# Altium PCB CATS-FAT_1..PcbDoc (part 1 of 2) (continued)
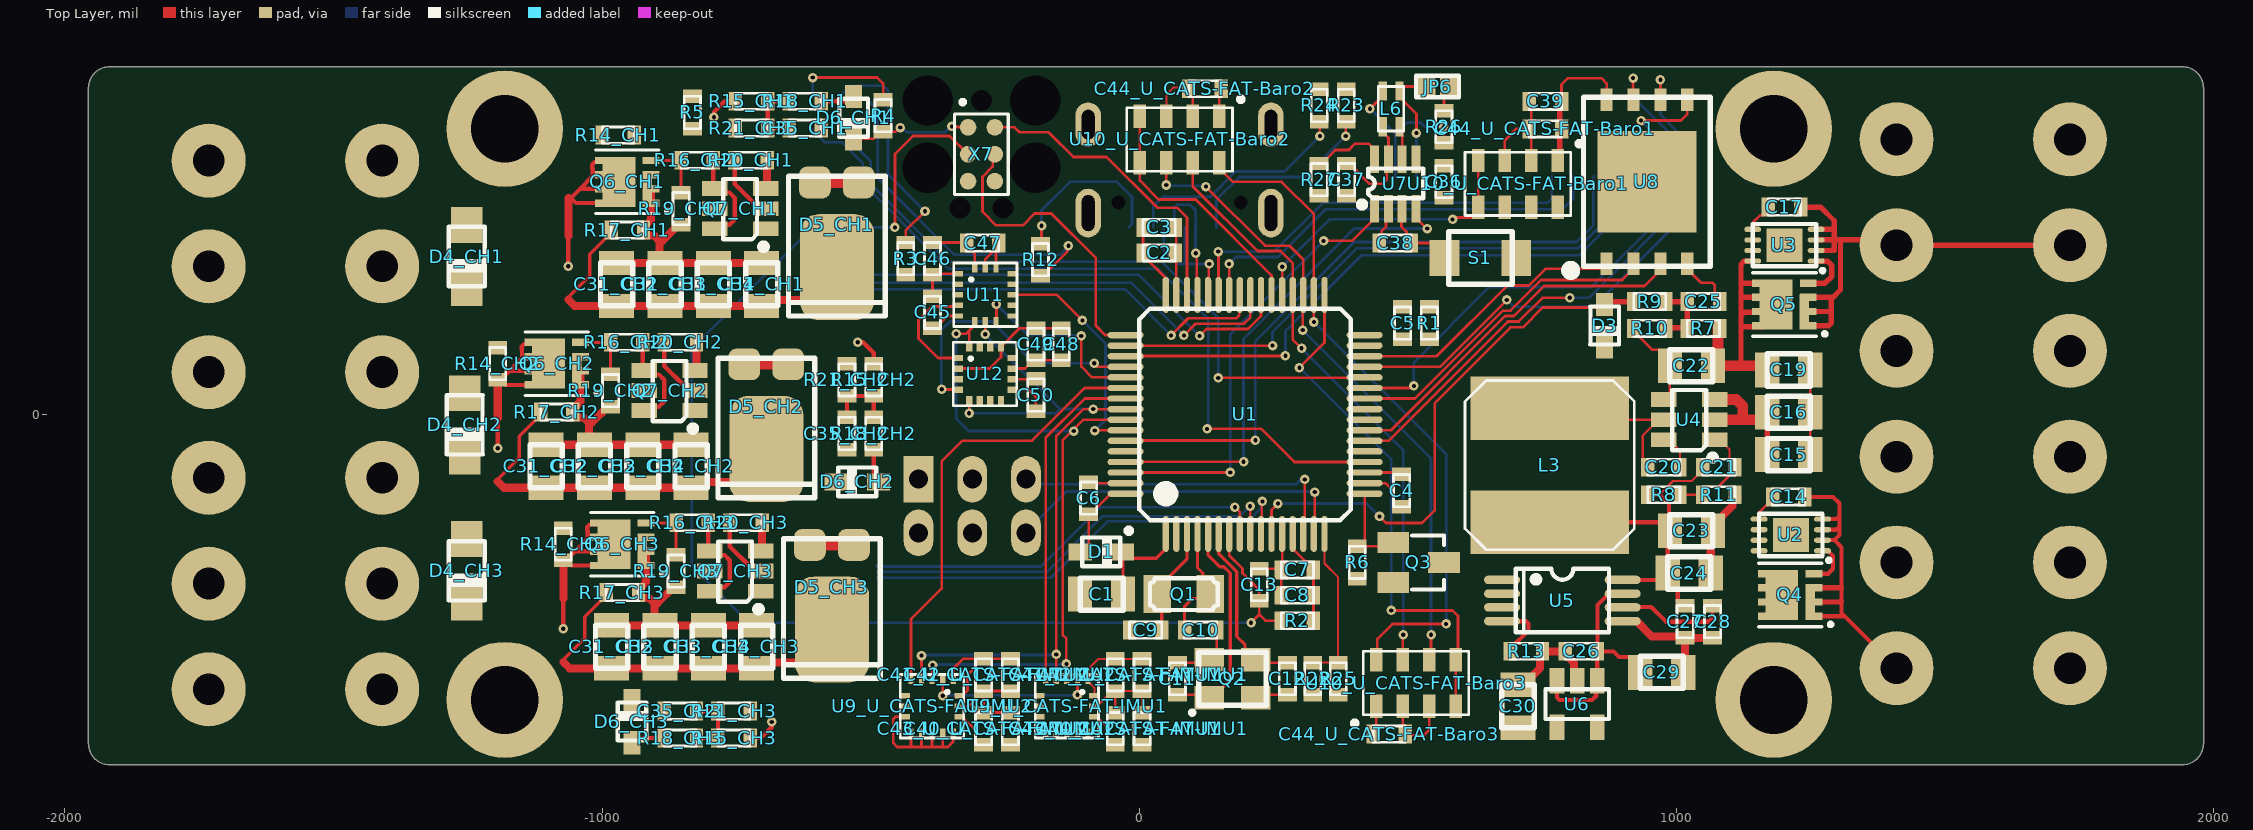
[diagram p0: Top Layer view]
## Components (designator, comment, footprint, x,y, rotation, side; value= is the part's Value field where it differs from the comment) (continued)
R19_CH2 "10k" "SMD Widerstand 0603" -984.35,44.41 r90 top (schematic designator R19)
R19_CH3 "10k" "SMD Widerstand 0603" -862.3,-291.65 r90 top (schematic designator R19)
R20_CH1 "10k" "SMD Widerstand 0603" -722.99,472.96 r180 top (schematic designator R20)
R20_CH2 "10k" "SMD Widerstand 0603" -854.35,134.41 r180 top (schematic designator R20)
R20_CH3 "10k" "SMD Widerstand 0603" -732.3,-201.65 r180 top (schematic designator R20)
R21_CH1 "10k" "SMD Widerstand 0603" -721.87,532.94 r0 top (schematic designator R21)
R21_CH2 "10k" "SMD Widerstand 0603" -544.35,64.41 r270 top (schematic designator R21)
R21_CH3 "10k" "SMD Widerstand 0603" -754.41,-552.36 r180 top (schematic designator R21)
R22 "5.1k" "SMD Widerstand 0603" 322.83,-492.13 r90 top
R23 "5.1k" "SMD Widerstand 0603" 385,575 r270 top
R24 "5.1k" "SMD Widerstand 0603" 335,575 r270 top
R25 "10k" "SMD Widerstand 0603" 370.08,-492.13 r270 top
R26 "120" "SMD Widerstand 0603" 566.93,535.43 r90 top
R27 "100k" "SMD Widerstand 0603" 334.65,437.01 r90 top
S1 "SMD-Button" "SMD Button 2.5x3x1.2" 634.84,291.34 r0 top
S2 "SMD-Button" "SMD Button 2.5x3x1.2" -730,530 r270 bottom
U1 "STM32L433RCT" "SMD IC LQFP64-N" 196.85,0 r90 top
U2 "*MAX16171ATA/VY+" "SMD IC TDFN-8" 1212.6,-224.41 r90 top
U3 "*MAX16171ATA/VY+" "SMD IC TDFN-8" 1200.79,314.96 r90 top
U4 "AP63300" "SMD IC TSOT-23-6" 1023.62,-9.84 r90 top
U5 "TPS2115APWR" "SMD IC TSSOP-8" 787.4,-346.46 r270 top value=TPS2115A
U6 "XC6219A332MR" "SMD IC SOT-23-5" 814.96,-539.37 r180 top
U7 "MAX3051EKA+T" "SMD IC SOT-23-8" 476.38,429.13 r0 top
U8 "W25Q512JVEIQ" "SMD IC WSON-8 [8x6]" 944.88,433.07 r90 top
U9_U_CATS-FAT-IMU1 "ICM-20601" "SMD IC LGA-16 5/3" -135,-543.31 r270 top (schematic designator U9)
U9_U_CATS-FAT-IMU2 "ICM-20601" "SMD IC LGA-16 5/3" -385.83,-543.31 r270 top (schematic designator U9)
U10_U_CATS-FAT-Baro1 "MS5607-02BA03" "SMD IC BARO MS5607" 704.72,429.13 r270 top (schematic designator U10)
U10_U_CATS-FAT-Baro2 "MS5607-02BA03" "SMD IC BARO MS5607" 74.8,511.81 r270 top (schematic designator U10)
U10_U_CATS-FAT-Baro3 "MS5607-02BA03" "SMD IC BARO MS5607" 515,-500 r90 top (schematic designator U10)
U11 "H3LIS100DL" "SMD IC LGA-16 5/3" -286.65,222.6 r0 top
U12 "MMC5983MA" "SMD IC LGA-16 4/4" -287.09,75.43 r0 top
X1 "WAGO 2604-1106" "THT PCB Terminal Wago 2604-1106" 1732.28,-472.44 r90 bottom
X2 "WAGO 2604-1106" "THT PCB Terminal Wago 2604-1106" -1732.28,472.44 r270 bottom
X3 "JST SH 3-Pin" "SMD CONNECTOR JST-SR 3 PIN" 476.38,519.69 r0 bottom
X4 "Servo Connector" "THT Stiftleiste 6-Pol (2x3) 90°" -311.02,-170.47 r0 bottom
X6 "JST SH 8-Pin" "SMD CONNECTOR JST-SR 8 PIN" 826.77,519.69 r0 bottom
X7 "TC2030-CTX-NL" "SMD Connector TC2030 w/ holes" -293.9,584.25 r270 top
X8 "USB 2.0 Typ-C" "THT USB-C Socket (A40-00119)" 74.8,641.73 r0 bottom

## Footprints (in the part's own frame and the unit in brackets; to place one, negate y for a bottom-side part, rotate by r counter-clockwise, add the part's x,y. Pads: shape width x height; smd on the part's side, far side on the other; paste and mask are expansions set on the pad)
"SMD Button 2.5x3x1.2" [mm] "SMD_LED_RED"
  rect 1.4x1.7 smd: 1(-1.7,0) 2(1.7,0)
  silkscreen extent -1.5,-1.25 1.5,1.25, body extent -2,-1.25 2,1.25, height 1.6
"SMD BUZZER CMT-8504" [mm]
  rect 2.5x2.5 smd: 1(-3.45,3.4) 2(-3.45,-3.4) NC(3.45,-3.4) NC(3.45,3.4)
  silkscreen extent -4.55,-4.2 4.25,6, body extent -4.3,-4.28 4.23,4.25, height 4
"SMD Common Mode Choke 2x1.2" [mm]
  rect 0.9x0.4 smd: 1(0,0) 2(1.7,0) 3(1.7,0.8) 4(0,0.8)
  silkscreen extent -0.2,-0.2 1.9,1, body extent -0.15,-0.2 1.85,1, height 1.16
"SMD CONNECTOR JST-SR 3 PIN" [mm]
  rect 0.6x1.55 smd: 1(-1,1.95) 2(0,1.95) 3(1,1.95)
  rect 1.2x1.8 smd: NC(-2.3,-1.95) NC(2.3,-1.95)
  silkscreen extent -2.4,-3.05 2.5,1.52, body extent -2.5,-2.8 2.5,2.15, height 3.25
"SMD CONNECTOR JST-SR 8 PIN" [mm]
  rect 0.6x1.55 smd: 1(-3.5,1.95) 2(-2.5,1.95) 3(-1.5,1.95) 4(-0.5,1.95) 5(0.5,1.95) 6(1.5,1.95) 7(2.5,1.95) 8(3.5,1.95)
  rect 1.2x1.8 smd: NC(-4.8,-1.95) NC(4.8,-1.95)
  silkscreen extent -4.9,-3.25 5.1,1.75, body extent -4.9,-3.24 5.1,1.71, height 2.96
"SMD Connector TC2030 w/ holes" [mm]
  round 0.787 smd: 1(1.27,-0.635) 2(1.27,0.635) 3(2.54,-0.635) 4(2.54,0.635) 5(3.81,-0.635) 6(3.81,0.635)
  round 0.1 hole 2.375: NC(0,2.54) NC(0,-2.54) NC(3.175,2.54) NC(3.175,-2.54)
  round 0.1 hole 0.991: NC(0,0) NC(5.08,-1.016) NC(5.08,1.016)
  silkscreen extent 0,-1.27 4.44,1.27
"SMD Crystal 3.2x1.5x0.9" [mm] "SMD_LED_RED"
  rect 1.3x1.8 smd: 1(-1.25,0) 2(1.25,0)
  silkscreen extent -1.6,-0.75 1.6,0.75, body extent -1.61,-0.76 1.61,0.76, height 0.91
"SMD Crystal 3.2X2.5X0.8" [mm] "SMD_LED_RED"
  rect 1.4x1.1 smd: 1(-1.1,-0.9) 2(1.1,0.9) 3(-1.1,0.9) 3(1.1,-0.9)
  silkscreen extent -2,-1.7 1.6,1.25, body extent -1.65,-1.3 1.65,1.3, height 0.8
"SMD Diode SOD-123" [mm] "SM LED; 2 Flat Leads"
  rect 1.7x1.5 smd: A(-1.5,0) K(1.5,0)
  silkscreen extent -1.4,-0.88 1.4,0.9, body extent -1.93,-0.85 1.93,0.85, height 1.42
"SMD Diode SOD-323F" [mm] "SM LED; 2 Flat Leads"
  rect 1.1x0.8 smd: A(-1,0) K(1,0)
  silkscreen extent -0.9,-0.67 0.9,0.68, body extent -1.25,-0.68 1.25,0.67, height 1.02
"SMD Diode TO-277" [mm]
  rrect50% 1.5x1.5 smd: A(-2,1.04) A(-2,-1.04)
  rrect50% 5x3.5 smd: K(2,0)
  silkscreen extent -2.29,-2.29 4.31,2.29, body extent -2.33,-2.37 4.32,2.38, height 1.2
"SMD IC BARO MS5607" [mm]
  rect 1.1x0.6 smd: 1(-1.1,1.875) 2(-1.1,0.625) 3(-1.1,-0.625) 4(-1.1,-1.875) 5(1.1,-1.875) 6(1.1,-0.625) 7(1.1,0.625) 8(1.1,1.875)
  silkscreen extent -2,-2.5 1.5,3, body extent -1.5,-2.5 1.5,2.5, height 0.95
"SMD IC LGA-16 4/4" [mm]
  rect 0.45x0.3 smd: 1(-1.275,0.75) 2(-1.275,0.25) 3(-1.275,-0.25) 4(-1.275,-0.75) 9(1.275,-0.75) 10(1.275,-0.25) 11(1.275,0.25) 12(1.275,0.75)
  rect 0.3x0.45 smd: 5(-0.75,-1.275) 6(-0.25,-1.275) 7(0.25,-1.275) 8(0.75,-1.275) 13(0.75,1.275) 14(0.25,1.275) 15(-0.25,1.275) 16(-0.75,1.275)
  silkscreen extent -1.5,-1.5 1.5,1.5, body extent -1.5,-1.5 1.5,1.5, height 1
"SMD IC LGA-16 5/3" [mm]
  rect 0.5x0.25 smd: 1(-1.3,1) 2(-1.3,0.5) 3(-1.3,0) 4(-1.3,-0.5) 5(-1.3,-1) 9(1.3,-1) 10(1.3,-0.5) 11(1.3,0) 12(1.3,0.5) 13(1.3,1)
  rect 0.25x0.5 smd: 6(-0.5,-1.3) 7(0,-1.3) 8(0.5,-1.3) 14(0.5,1.3) 15(0,1.3) 16(-0.5,1.3)
  silkscreen extent -1.5,-1.5 1.5,1.5, body extent -1.5,-1.5 1.5,1.5, height 1
"SMD IC LQFP64-N" [mm] "Thin QFP, 64-Leads, Body 10x10mm, Pitch 0.5mm, IPC Medium Density"
  oval 1.7x0.3 smd: 1(-5.65,3.75) 2(-5.65,3.25) 3(-5.65,2.75) 4(-5.65,2.25) 5(-5.65,1.75) 6(-5.65,1.25) 7(-5.65,0.75) 8(-5.65,0.25) 9(-5.65,-0.25) 10(-5.65,-0.75) 11(-5.65,-1.25) 12(-5.65,-1.75) 13(-5.65,-2.25) 14(-5.65,-2.75) 15(-5.65,-3.25) 16(-5.65,-3.75) 33(5.65,-3.75) 34(5.65,-3.25) 35(5.65,-2.75) 36(5.65,-2.25) 37(5.65,-1.75) 38(5.65,-1.25) 39(5.65,-0.75) 40(5.65,-0.25) 41(5.65,0.25) 42(5.65,0.75) 43(5.65,1.25) 44(5.65,1.75) 45(5.65,2.25) 46(5.65,2.75) 47(5.65,3.25) 48(5.65,3.75)
  oval 0.3x1.7 smd: 17(-3.75,-5.65) 18(-3.25,-5.65) 19(-2.75,-5.65) 20(-2.25,-5.65) 21(-1.75,-5.65) 22(-1.25,-5.65) 23(-0.75,-5.65) 24(-0.25,-5.65) 25(0.25,-5.65) 26(0.75,-5.65) 27(1.25,-5.65) 28(1.75,-5.65) 29(2.25,-5.65) 30(2.75,-5.65) 31(3.25,-5.65) 32(3.75,-5.65) 49(3.75,5.65) 50(3.25,5.65) 51(2.75,5.65) 52(2.25,5.65) 53(1.75,5.65) 54(1.25,5.65) 55(0.75,5.65) 56(0.25,5.65) 57(-0.25,5.65) 58(-0.75,5.65) 59(-1.25,5.65) 60(-1.75,5.65) 61(-2.25,5.65) 62(-2.75,5.65) 63(-3.25,5.65) 64(-3.75,5.65)
  silkscreen extent -5.62,-5 5,5.62, body extent -6,-6 6,6, height 1.5
"SMD IC SOT-23-5" [mm]
  rect 0.7x1.2 smd: 1(-0.95,-1.1) 2(0,-1.1) 3(0.95,-1.1) 4(0.95,1.1) 5(-0.95,1.1)
  silkscreen extent -1.5,-0.7 1.5,0.7, body extent -1.5,-1.2 1.5,1.3, height 1.1
"SMD IC SOT-23-6" [mm] "SOT-223/SC-73; 4 Leads; Body 6.7 x 7.3 mm, inc. leads (LxW max)"
  rect 0.7x1.2 smd: 1(-0.95,-1.2) 2(0,-1.2) 3(0.95,-1.2) 4(0.95,1.2) 5(0,1.2) 6(-0.95,1.2)
  silkscreen extent -1.9,-1.2 1.4,0.8, body extent -1.45,-1.4 1.45,1.4, height 1.45
"SMD IC SOT-23-8" [mm]
  rect 0.42x1.3 smd: 1(-0.975,-1.175) 2(-0.325,-1.175) 3(0.325,-1.175) 4(0.975,-1.175) 5(0.975,1.175) 6(0.325,1.175) 7(-0.325,1.175) 8(-0.975,1.175)
  silkscreen extent -1.72,-1.12 1.33,0.73, body extent -1.5,-1.5 1.5,1.5, height 1.45
"SMD IC TDFN-8" [mm] "QFN, 48-Leads, Body 7x7mm, Pitch 0.5mm, IPC Medium Density"
  oval 0.25x0.8 smd: 1(-0.75,-1.5) 2(-0.25,-1.5) 3(0.25,-1.5) 4(0.75,-1.5) 5(0.75,1.5) 6(0.25,1.5) 7(-0.25,1.5) 8(-0.75,1.5)
  rect 1.6x1.7 smd: PAD(0,0)
  silkscreen extent -1.28,-1.88 1,1.5, body extent -1,-1.5 1,1.5, height 0.8
"SMD IC TSOT-23-6" [mm] "SOT-223/SC-73; 4 Leads; Body 6.7 x 7.3 mm, inc. leads (LxW max)"
  rect 0.7x1.2 smd: 1(-0.95,-1.2) 2(0,-1.2) 3(0.95,-1.2) 4(0.95,1.2) 5(0,1.2) 6(-0.95,1.2)
  silkscreen extent -1.9,-1.2 1.4,0.8, body extent -1.5,-1.4 1.5,1.4, height 0.86
"SMD IC TSSOP-8" [mm] "Shrink Small Outline; 16 Leads; Body Width 4.4 mm; Pitch 0.65 mm"
  oval 0.4x1.7 smd: 1(-0.975,-2.85) 2(-0.325,-2.85) 3(0.325,-2.85) 4(0.975,-2.85) 5(0.975,2.85) 6(0.325,2.85) 7(-0.325,2.85) 8(-0.975,2.85)
  silkscreen extent -1.5,-2.2 1.5,2.2, body extent -1.5,-3.23 1.5,3.23, height 1.2
"SMD IC WSON-8 [8x6]" [mm]
  rect 1.05x0.57 smd: 1(-3.875,1.905) 2(-3.875,0.635) 3(-3.875,-0.635) 4(-3.875,-1.905) 5(3.875,-1.905) 6(3.875,-0.635) 7(3.875,0.635) 8(3.875,1.905)
  rect 4.8x4.7 smd: PAD(0,0)
  silkscreen extent -4.39,-3 4,3.81, body extent -4,-3 4,3, height 0.75
"SMD Inductor 8x8" [mm]
  rect 7.5x3 smd: 1(0,2.7) 2(0,-2.7)
  silkscreen extent -4,-4 4,4, body extent -4,-4 4,4, height 6.57
"SMD Keramikkondensator 0603" [mil]
  rect 25x35 smd: 1(-30,0) 2(30,0)
  silkscreen extent -30,-15 30,15, body extent -31,-16 32,16, height 32
"SMD Keramikkondensator 0805" [mil]
  rect 45x65 smd: 1(-40,0) 2(40,0)
  silkscreen extent -40,-30 40,30, body extent -39,-25 39,25, height 31
"SMD LED 0603" [mm] "SMD_LED_RED"
  rect 0.8x0.8 smd: A(-0.75,0) K(0.75,0)
  silkscreen extent -0.8,-0.4 0.8,0.4, body extent -0.81,-0.37 0.84,0.36, height 0.68
"SMD MOSFET DFN 3x3 EP" [mm]
  rect 1.55x2.36 smd: D(0.4,0)
  rect 0.8x0.35 smd: D(1.125,1.005) D(1.125,-0.335) D(1.125,0.335) D(1.125,-1.005) G(-1.125,-1.005) S(-1.125,1.005) S(-1.125,-0.335) S(-1.125,0.335)
  rect 0.45x1.68 smd: S(-0.947,0.341)
  silkscreen extent -1.96,-1.5 1.5,1.5, body extent -1.63,-1.5 1.5,1.5, height 0.5
"SMD MOSFET SOT-23" [mm]
  rect 1x1.5 smd: D(0,1.2) G(-0.95,-1.2) S(0.95,-1.2)
  silkscreen extent -1.28,-0.3 1.27,1.2, body extent -1.5,-1.3 1.5,1.2, height 1.1
"SMD Solder Jumper 1x2mm" [mm] "SOT-223/SC-73; 4 Leads; Body 6.7 x 7.3 mm, inc. leads (LxW max)"
  rect 0.9x0.9 smd: 1(-0.559,0) 2(0.559,0)
  silkscreen extent -1.02,-0.51 1.02,0.51
"SMD Widerstand 0603" [mil]
  rect 25x35 smd: 1(-30,0) 2(30,0)
  silkscreen extent -30,-15 30,15, body extent -31,-16 31,16, height 18
"THT PCB Terminal Wago 2604-1106" [mm]
  round 3.5 hole 1.5: 1(0,-8.2) 1(0,0) 2(5,-8.2) 2(5,0) 3(10,-8.2) 3(10,0) 4(15,-8.2) 4(15,0) 5(20,-8.2) 5(20,0) 6(25,-8.2) 6(25,0)
  silkscreen extent -4,-11 28,5.5, body extent -3.75,-11.05 28.65,8.15, height 16.7
"THT Stiftleiste 6-Pol (2x3) 90°" [mm]
  rect 1.4x2.2 hole 0.9: 1(-2.54,-1.27)
  oval 1.4x2.2 hole 0.9: 2(-2.54,1.27) 3(0,-1.27) 4(0,1.27) 5(2.54,-1.27) 6(2.54,1.27)
  silkscreen extent -3.81,-2.54 3.81,12.19, body extent -3.81,-1.58 3.81,12.15, height 5.63
"THT USB-C Socket (A40-00119)" [mm]
  rect 0.6x1.25 smd: A1B12(-3.2,7.45) A4B9(-2.4,7.45) B1A12(3.2,7.45) B4A9(2.4,7.45)
  rect 0.3x1.25 smd: A5(-1.25,7.45) A6(-0.25,7.45) A7(0.25,7.45) A8(1.25,7.45) B5(1.75,7.45) B6(0.75,7.45) B7(-0.75,7.45) B8(-1.75,7.45)
  oval 1.2x2.1 hole 0.6 slot 1.4 at 90 deg: G1(-4.32,2.6) G3(4.32,2.6)
  oval 1.2x2.3 hole 0.6 slot 1.7 at 90 deg: G2(-4.32,6.78) G4(4.32,6.78)
  round 0 hole 0.65 unplated: NC(-2.89,6.28) NC(2.89,6.28)
  silkscreen extent -4.4,0 4.4,7.3, body extent -4.47,0 4.48,7.75, height 3.26

## Part data
C1: library part "E6 - 47uF", "SMD Ceramic Capacitor E6", Number=-, Supplier=-, Unit Price=0.01
C2 C46: library part "E6 - 4.7uF", "SMD Ceramic Capacitor E6", Number=-, Supplier=-, Unit Price=0.01
C3 C4 C5 C6 C7 C13 C14 C17 C20 C26 C27 C28 C38 C39 C40_U_CATS-FAT-IMU1 C40_U_CATS-FAT-IMU2 C44_U_CATS-FAT-Baro1 C44_U_CATS-FAT-Baro2 C44_U_CATS-FAT-Baro3 C45 C47 C48 C49: library part "E6 - 100nF", "SMD Ceramic Capacitor E6", Number=-, Supplier=-, Unit Price=0.01
C8 C25 C35_CH1 C35_CH2 C35_CH3 C42_U_CATS-FAT-IMU1 C42_U_CATS-FAT-IMU2 C50: library part "E6 - 10nF", "SMD Ceramic Capacitor E6", Number=-, Supplier=-, Unit Price=0.01
C9 C10 C11 C12: library part "E6 - 10pF", "SMD Ceramic Capacitor E6", Number=-, Supplier=-, Unit Price=0.01
C15 C16 C19 C22 C23 C24 C29 C30 C31_CH1 C31_CH2 C31_CH3 C32_CH1 C32_CH2 C32_CH3 C33_CH1 C33_CH2 C33_CH3 C34_CH1 C34_CH2 C34_CH3: library part "E6 - 22uF", "SMD Ceramic Capacitor E6", Number=-, Supplier=-, Unit Price=0.01
C21 C36 C37: library part "E6 - 47pF", "SMD Ceramic Capacitor E6", Number=-, Supplier=-, Unit Price=0.01
C41_U_CATS-FAT-IMU1 C41_U_CATS-FAT-IMU2: library part "E6 - 2.2uF", "SMD Ceramic Capacitor E6", Number=-, Supplier=-, Unit Price=0.01
C43_U_CATS-FAT-IMU1 C43_U_CATS-FAT-IMU2: library part "E6 - 470nF", "SMD Ceramic Capacitor E6", Number=-, Supplier=-, Unit Price=0.01
D1 D3 D6_CH1 D6_CH2 D6_CH3: "200mW, 0.47V Schottky Barrier Diode", ComponentLink1Description=Datasheet, ComponentLink1URL=https://www.taiwansemi.com/products/datasheet/B0530WS_J1709.pdf, Digikey=B0530WSRRGCT-ND
D4_CH1 D4_CH2 D4_CH3: "Diode Schottky 3A Surface Mount CFP3", Digikey=1727-5313-2-ND
D5_CH1 D5_CH2 D5_CH3: "Diode Schottky 15A Surface Mount TO-277-3", ComponentLink1Description=Datasheet, ComponentLink1URL=https://www.mccsemi.com/pdf/Products/MBR15U60(TO-277).pdf, Digikey=MBR15U60-TPMSTR-ND
JP1 JP6: library part Jumper-1, "Single Position Jumper"
L3: library part "Inductor 6.8µH / 5A", "FIXED IND 6.8UH 5A 25MOHM SMD", Digikey=SRN8040TA-6R8MTR-ND
L6: library part "Common Mode Choke (CAN)", "2 Line Common Mode Choke Surface Mount 370mA DCR 300mOhm", ComponentLink1Description=Datasheet, ComponentLink1URL=https://www.we-online.de/katalog/datasheet/744231121.pdf, Digikey=732-1465-2-ND
LS1: "Buzzers Indicator, Internally Driven Piezo 12V 10mA 3kHz 100dB @ 12V, 10cm Through Hole PC Pins", ComponentLink1Description=Datasheet, ComponentLink1URL=https://dbunlimitedco.com/images/product_images/2D-Drawings/IP303012-1.pdf, Digikey=2104-IP303012-1-ND
P1 P2 P3 P4_CH1 P4_CH2 P4_CH3: "Color LED"
Q1: library part "Crystal 32.768kHz", "CRYSTAL 32.7680KHZ 9PF SMD", Digikey=2195-CM7VT1ALOWESR32.768KHZ9PF20TAQCTR-ND
Q2: library part Crystal, "SMD Crystal Resonators 8MHz ±10ppm SMD,3.2x2.5mm", Digikey=535-15255-1-ND
Q3: "MOSFET N-Channel 20V / 115mA", ComponentLink1Description=Datasheet, ComponentLink1URL=https://www.onsemi.com/pub/Collateral/NDS7002A-D.PDF, Digikey=2N7002NCT-ND, Item Description="N-Channel MOSFET", Price=0.32
Q4 Q5 Q6_CH1 Q6_CH2 Q6_CH3: "N-Channel 30V 25A (Ta), 28A (Tc) 3.1W (Ta), 32W (Tc) Surface Mount 8-DFN (3x3)", ComponentLink1Description=Datasheet, ComponentLink1URL=http://aosmd.com/res/data_sheets/AON7524.pdf, Digikey=785-1634-1-ND, Item Description="N-Channel MOSFET"
Q7_CH1 Q7_CH2 Q7_CH3: "Low-Side Gate Driver IC Non-Inverting SOT-26", ComponentLink1Description=Datasheet, ComponentLink1URL=https://www.diodes.com/assets/Datasheets/ZXGD3009E6.pdf, Digikey=ZXGD3009E6TADICT-ND
R1 R2 R5 R6 R9 R10 R18_CH1 R18_CH2 R18_CH3 R19_CH1 R19_CH2 R19_CH3 R20_CH1 R20_CH2 R20_CH3 R21_CH1 R21_CH2 R21_CH3 R25: library part "E24 - 10k", "SMD Chip Resistor E24", Number=-, Supplier=-, Unit Price=0.01
R3 R4 R12: library part "E24 - 1.0k", "SMD Chip Resistor E24", Number=-, Supplier=-, Unit Price=0.01
R7 R15_CH1 R15_CH2 R15_CH3: library part "E24 - 91k", "SMD Chip Resistor E24", Number=-, Supplier=-, Unit Price=0.01
R8: library part "E24 - 43k", "SMD Chip Resistor E24", Number=-, Supplier=-, Unit Price=0.01
R11: library part "E24 - 8.2k", "SMD Chip Resistor E24", Number=-, Supplier=-, Unit Price=0.01
R13: library part "E24 - 560", "SMD Chip Resistor E24", Number=-, Supplier=-, Unit Price=0.01
R14_CH1 R14_CH2 R14_CH3: library part "E24 - 36k", "SMD Chip Resistor E24", Number=-, Supplier=-, Unit Price=0.01
R16_CH1 R16_CH2 R16_CH3: library part "E24 - 270", "SMD Chip Resistor E24", Number=-, Supplier=-, Unit Price=0.01
R17_CH1 R17_CH2 R17_CH3: library part "E24 - 2.0k", "SMD Chip Resistor E24", Number=-, Supplier=-, Unit Price=0.01
R22 R23 R24: library part "E24 - 5.1k", "SMD Chip Resistor E24", Number=-, Supplier=-, Unit Price=0.01
R26: library part "E24 - 120", "SMD Chip Resistor E24", Number=-, Supplier=-, Unit Price=0.01
R27: library part "E24 - 100k", "SMD Chip Resistor E24", Number=-, Supplier=-, Unit Price=0.01
S1 S2: library part "Button 3mmx2.5mm", "Button SPST", LCSC=C128937, Digikey=SW1020TR-ND
U1: "ARM® Cortex®-M4 series Microcontroller IC 32-Bit 80MHz 256KB (256K x 8) FLASH 64-LQFP (10x10)", ComponentLink1Description=Datasheet, ComponentLink1URL=https://www.st.com/content/ccc/resource/technical/document/datasheet/f7/a0/fc/27/24/4e/4f/3f/DM00257192.pdf/files/DM00257192.pdf/jcr:content/translations/en.DM00257192.pdf, Digikey=497-17968-ND
U2 U3: library part MAX16171ATA/VY+, "OR Controller N+1 ORing Controller N-Channel 1:1 8-TDFN-CU (2x3)", ComponentLink1Description=Datasheet, ComponentLink1URL=https://datasheets.maximintegrated.com/en/ds/MAX16171.pdf, Digikey=175-MAX16171ATA/VY+-ND
U4: "3.8V TO 32V INPUT, 3A LOW IQ SYNCHRONOUS BUCK WITH ENHANCED EMI REDUCTION", ComponentLink1Description=Datasheet, ComponentLink1URL=https://www.diodes.com/assets/Datasheets/AP63300-AP63301.pdf, Digikey=31-AP63300WU-7TR-ND
U5: "Autoswitching Power MUX 1.25A", ComponentLink1Description=Datasheet, ComponentLink1URL=http://www.ti.com/lit/ds/symlink/tps2115a.pdf, Digikey=296-16940-1-ND, Item Description="Source Selector", Price=2.41
U6: "300mA High Speed LDO Regulators with ON/OFF Switch", ComponentLink1Description=Datasheet, ComponentLink1URL=https://datasheet.lcsc.com/szlcsc/1809201520_Torex-Semicon-XC6219A332MR_C58229.pdf, Digikey=893-1167-1-ND
U7: "+3.3V, 1Mbps, Low-Supply-Current / CAN Transceiver", ComponentLink1Description=Datasheet, ComponentLink1URL=https://datasheets.maximintegrated.com/en/ds/MAX3051.pdf, Digikey=MAX3051EKA+TTR-ND
U8: "FLASH - NOR Memory IC 512Mb (64M x 8) SPI - Quad I/O 133MHz 8-WSON (8x6)", ComponentLink1Description=Datasheet, ComponentLink1URL=https://www.winbond.com/resource-files/W25Q512JV%20SPI%20RevB%2006252019%20KMS.pdf, Digikey=W25Q512JVEIQ-ND, Item Description="Flash Memory"
U9_U_CATS-FAT-IMU1 U9_U_CATS-FAT-IMU2: "World’s First Wide-Range 6-Axis MotionTracking Device for High Speed Applications", ComponentLink1Description=Datasheet, ComponentLink1URL=https://www.invensense.com/wp-content/uploads/2015/12/DS-000184-ICM-20600-v1.0.pdf, Digikey=1428-1058-1-ND
U10_U_CATS-FAT-Baro1 U10_U_CATS-FAT-Baro2 U10_U_CATS-FAT-Baro3: "Barometric Pressure Sensor, with stainless / steel cap", ComponentLink1Description=Datasheet, ComponentLink1URL=https://www.te.com/commerce/DocumentDelivery/DDEController?Action=srchrtrv&DocNm=MS5607-02BA03&DocType=Data+Sheet&DocLang=English, Digikey=223-1198-1-ND
U11: "Low-Power 100-g 3-Axis Digital Accelerometer", ComponentLink1Description=Datasheet, ComponentLink1URL=https://www.st.com/content/ccc/resource/technical/document/datasheet/6e/c2/95/d9/3a/3f/4f/cb/DM00162193.pdf/files/DM00162193.pdf/jcr:content/translations/en.DM00162193.pdf, Digikey=497-15697-1-ND
U12: "High Performance / 3-axis Magnetic Sensor", ComponentLink1Description=Datasheet, ComponentLink1URL=https://media.digikey.com/pdf/Data%20Sheets/MEMSIC%20PDFs/MMC5983MA_RevA_4-3-19.pdf, Digikey=1267-MMC5983MACT-ND
X1 X2: "PCB terminal blocks with levers and Push-in CAGE CLAMP® connection", ComponentLink1Description=Datasheet, ComponentLink1URL=https://www.wago.com/us/pcb-interconnect/pcb-terminal-block/p/2604-1106
X3 X6: "Crimp Style Connectors (Wire-to-Board type)"
  X3: Digikey=455-1803-2-ND
  X6: Digikey=455-1808-1-ND
X4: library part "Servo Connector Dual", "6 Pin header for PWM servos"
X7: "Tag-Connect for ARM-Cortex (6-Pin)"
X8: library part "USB Type-C USB 2.0", "Typ-C", aliExpress=33045191307, Digikey=2073-USB4105-GF-ACT-ND, Farnell=3583366

## Free pads (board coordinates)
  round 216.54 hole 125.98: NC(-1181.1,-531.5) NC(-1181.1,531.5) NC(1181.1,-531.5) NC(1181.1,531.5)

## Via types
v1: diameter 17.72, hole 7.87, Top Layer to Bottom Layer, 77 vias

## Nets (pads, with @x,y where several pads share a name; then routed paths per layer and width w, separated by ;. In a path a pad name is that pad's centre, name@x,y a point inside that pad or via, vN(x,y) a via of type N, cw(c..) or ccw(c..) an arc to the next point about the centre after c; other vN are vias at no path point)
3V3: C2.2 C3.2 C4.2 C5.2 C6.2 C7.2 C8.2 C30.2 C38.2 C39.2 C40_U_CATS-FAT-IMU1.2 C40_U_CATS-FAT-IMU2.2 C41_U_CATS-FAT-IMU1.2 C41_U_CATS-FAT-IMU2.2 C42_U_CATS-FAT-IMU1.2 C42_U_CATS-FAT-IMU2.2 C44_U_CATS-FAT-Baro1.2 C44_U_CATS-FAT-Baro2.2 C44_U_CATS-FAT-Baro3.2 C45.2 C46.2 C47.2 C48.2 C49.2 D1.A D3.K D6_CH1.K D6_CH2.K D6_CH3.K R2.2 R3.2 R4.2 R5.2 S1.1 U1.13 U1.19 U1.32 U1.48 U1.64 U6.5 U7.3 U8.8 U9_U_CATS-FAT-IMU1.1 U9_U_CATS-FAT-IMU1.16 U9_U_CATS-FAT-IMU2.1 U9_U_CATS-FAT-IMU2.16 U10_U_CATS-FAT-Baro1.1 U10_U_CATS-FAT-Baro2.1 U10_U_CATS-FAT-Baro3.1 U11.1 U11.14 U11.15 U12.2 U12.13 X7.1 | length 2105.1
  Top Layer w4: U9_U_CATS-FAT-IMU1.16@-83.82,-523.62 -83.82,-508.86 -95.63,-497.05 U9_U_CATS-FAT-IMU1.1@-95.63,-492.13 -95.63,-474.57 -76.06,-455 C41_U_CATS-FAT-IMU1.2@-45,-455 C42_U_CATS-FAT-IMU1.2@5,-455 ; U10_U_CATS-FAT-Baro2.1@148.62,555.12 148.62,602.87 C44_U_CATS-FAT-Baro2.2@152.05,606.3
  Top Layer w5: D6_CH1.K@-531.87,512.94 -495.06,512.94 -482,526 R4.2@-477,526 -453.8,526 -445.8,534 v1(-445,534) ; C45.2@-385,220 C46.2@-385,260 -383.03,261.97 U11.1@-337.83,261.97 ; v1(-349,536) -348.13,535.13 -319.77,535.13 X7.1@-318.9,534.25 ; U9_U_CATS-FAT-IMU2.1@-346.46,-492.13 -346.46,-473.43 -328.03,-455 C41_U_CATS-FAT-IMU2.2@-295,-455 ; U12.2@-337.28,85.28 -278.72,85.28 -257.56,106.44 U12.13@-257.56,125.63 -222.64,160.55 C49.2@-192.6,160.55 C48.2@-145.35,160.55 ; U9_U_CATS-FAT-IMU2.16@-334.65,-523.62 -329.72,-523.62 -319.88,-513.78 -319.88,-484.88 -305,-470 -305,-465 C41_U_CATS-FAT-IMU2.2@-295,-455 ; U11.15@-286.65,273.78 -286.65,288.9 C47.2@-266.97,308.58 ; U11.14@-266.97,273.78 C47.2@-266.97,308.58 ; C47.2@-261.65,318.9 -266.97,313.58 C47.2@-266.97,308.58 ; C42_U_CATS-FAT-IMU2.2@-240,-455 C41_U_CATS-FAT-IMU2.2@-290,-455 C41_U_CATS-FAT-IMU2.2@-295,-455 ; D1.A@-110.24,-255.91 -107.74,-255.91 -94.49,-242.66 C6.2@-94.49,-185.98 -89.49,-185.98 -79.49,-175.98 -79.49,-173.98 -53.15,-147.64 U1.64@-25.59,-147.64 ; C3.2@6.93,347.95 C2.2@6.93,300.71 6.93,295.71 49.21,253.43 U1.48@49.21,222.44 ; U1.13@285.43,-222.44 285.43,-250 309.94,-274.51 314,-274.51 324,-284.51 C7.2@324,-289.51 C8.2@324,-336.76 R2.2@324,-384 ; U1.19@419.29,-108.27 484.72,-108.27 C4.2@488.19,-111.73 ; C44_U_CATS-FAT-Baro3.2@435,-595 441.18,-588.82 U10_U_CATS-FAT-Baro3.1@441.18,-543.31 ; U7.3@489.17,382.87 488,381.7 488,349.07 498,339.07 498,327.28 C38.2@506.38,318.9 542.85,318.9 567.91,293.84 S1.1@567.91,291.34 ; C39.2@785.91,582.68 785.91,613.91 798,626 860,626 869.88,616.12 U8.8@869.88,585.63
  Top Layer w10: U10_U_CATS-FAT-Baro1.1@778.54,472.44 782.22,476.12 782.22,579 C39.2@785.91,582.68
  Bottom Layer w5: v1(-445,534) -441.56,534 -432.72,525.16 -361.29,525.16 -350.45,536 v1(-349,536)
5V: C21.2 C23.2 C24.2 C27.2 L3.2 LS1.1 Q7_CH1.1 Q7_CH2.1 Q7_CH3.1 R8.2 U5.8 X4.3 X4.4 X6.1 | length 676.2
  Top Layer w4: 968.5,-149.61 968.5,-149 993.48,-124.02 1028.15,-124.02 1048.74,-103.43 C21.2@1048.74,-98.43
  Top Layer w7.87: L3.2@763.78,-200.79 971.81,-200.79 C23.2@985.94,-214.92 ; U5.8@899.61,-308.07 970.83,-308.07 C24.2@983.62,-295.28 ; R8.2@946.38,-149.61 968.5,-149.61 985.94,-167.04 C23.2@985.94,-214.92 ; C27.2@1015.75,-355.83 1010.75,-355.83 1002.18,-347.26 1002.18,-313.84 C24.2@983.62,-295.28 ; C24.2@983.62,-295.28 983.62,-220.47 C23.2@987.56,-216.54 C23.2@985.94,-214.92
BGND: JP1.2 X1.2 X1.4 X1.6
BOOT: R1.2 S1.2 U1.60
BUTTON: R5.1 S2.1 U1.2
BUZZER: Q3.G R6.2 U1.17 | length 172.1
  Top Layer w5: R6.2@405.51,-245.59 R6.2@409.29,-245.59 ; U1.17@419.29,-147.64 419.29,-235.59 R6.2@409.29,-245.59 ; Q3.G@472.44,-238.19 465.04,-245.59 R6.2@409.29,-245.59
CAN_RX: U1.61 U7.4 | length 921.8
  Top Layer w5: U1.61@-25.59,-88.58 -25.3,-88.29 193.71,-88.29 v1(194,-88) ; U7.4@514.76,382.87 514.76,365.55 534.32,346 v1(536,346)
  Bottom Layer w5: v1(194,-88) 194,140 400,346 v1(536,346)
CAN_TX: U1.62 U7.1 | length 828
  Top Layer w5: U1.62@-25.59,-108.27 -25.46,-108.13 168.87,-108.13 v1(169,-108) ; v1(343,323) 396,323 437.99,364.99 U7.1@437.99,382.87
  Bottom Layer w5: v1(169,-108) 169,149 v1(343,323)
CS_ACCEL: U1.53 U11.8 | length 366.1
  Top Layer w5: U11.8@-266.97,171.42 -266,170.45 v1(-266,205) ; v1(-108,146) -108,89 -87.9,68.9 U1.53@-25.59,68.9
  Bottom Layer w5: v1(-266,205) -208.5,147.5 -109.5,147.5 v1(-108,146)